# Altium PCB DRS4-PCB.PcbDoc (part 12 of 15)
Units mil, origin at the board's own origin, x right, y up, seen from the top; angles counter-clockwise.
Board outline 12350 x 7411.06 mil, 12 copper layers (Top Layer, Ground Layer 2, Signal Layer 3, Signal Layer 4, Ground Layer 5, Power Layer 6, Ground Layer 7, Ground Layer 8, Power Layer 9, Power Layer 10, Ground Layer 11, Bottom Layer), stack 61.6 mil thick; 1264 components, 1069 nets, 3958 pads, 2329 vias.
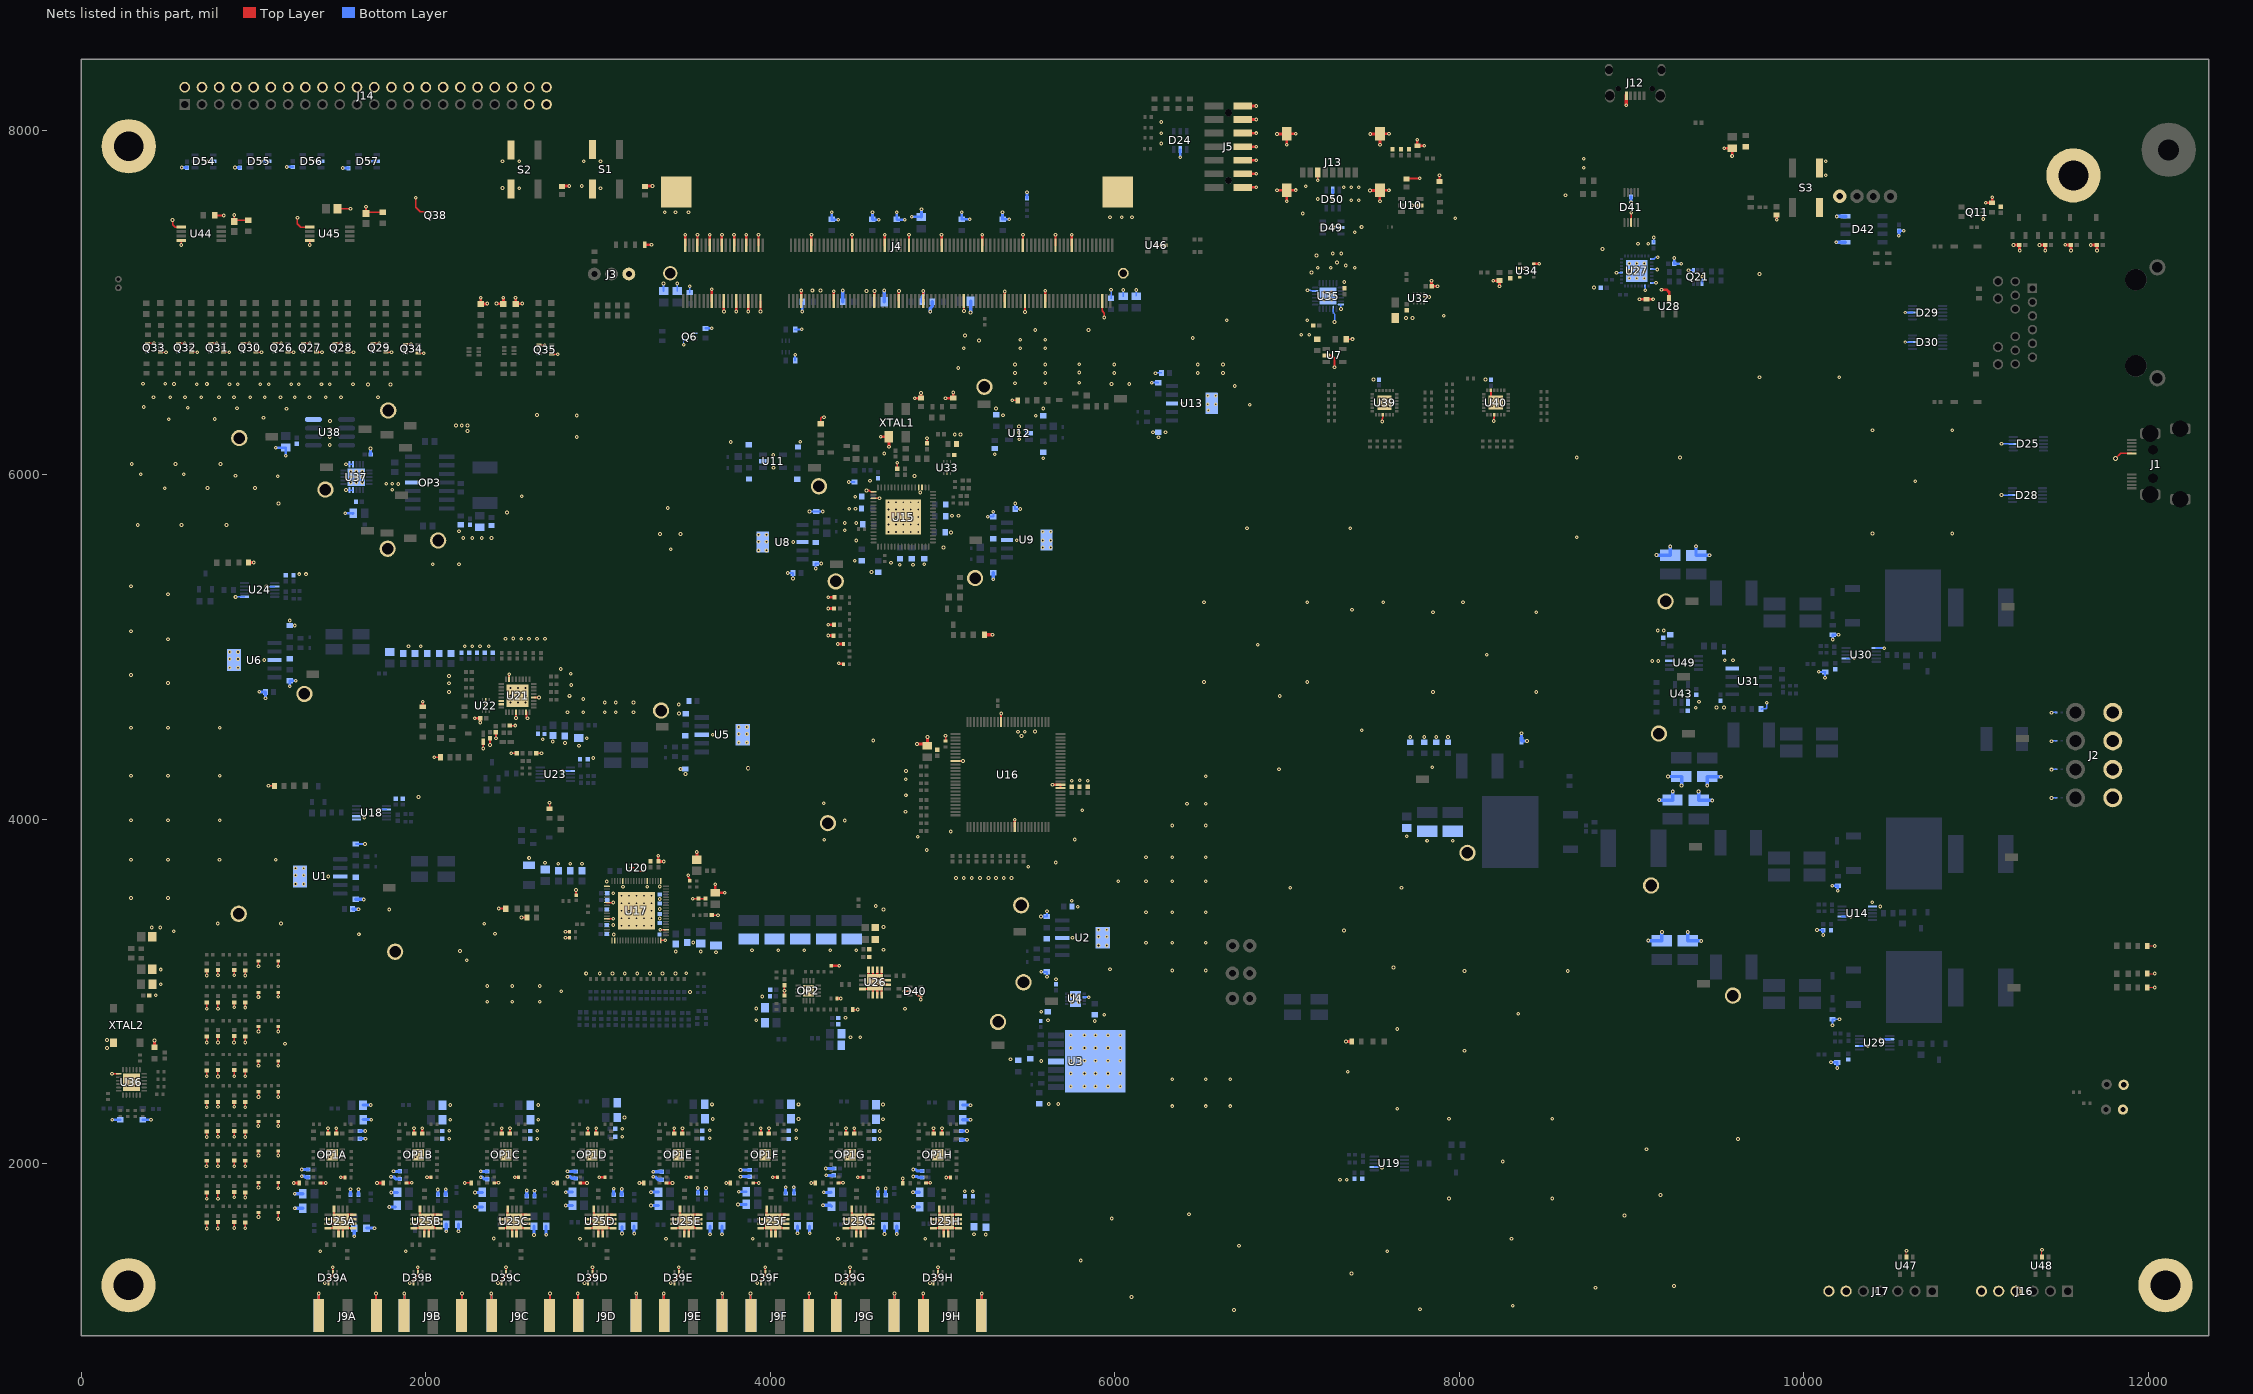
[diagram p22: the nets of this part, all layers, seen from the top]

## Via types
v1: diameter 21.65, hole 10, Top Layer to Bottom Layer, 2294 vias
v2: diameter 25, hole 15, Top Layer to Bottom Layer, 16 vias
v3: diameter 19, hole 8, Top Layer to Bottom Layer, 12 vias
v4: diameter 40, hole 28, Top Layer to Bottom Layer, 3 vias
v5: diameter 30, hole 20, Top Layer to Bottom Layer, 2 vias
v6: diameter 27.56, hole 10, Top Layer to Bottom Layer, 1 vias
v7: diameter 18, hole 10, Top Layer to Bottom Layer, 1 vias

## Nets (pads, with @x,y where several pads share a name; then routed paths per layer and width w, separated by ;. In a path a pad name is that pad's centre, name@x,y a point inside that pad or via, vN(x,y) a via of type N, cw(c..) or ccw(c..) an arc to the next point about the centre after c; other vN are vias at no path point) (continued)
TRB_GND: C1.2 C2.2 C3.2 C4.2 C5.2 C6.2 C7.1 C8.2 C9.1 C10.1 C11.1 C12.1 C13.2 C14.1 C15.1 C16.1 C17.1 C18.1 C19.1 C20.1 C21.1 C22.2 C23.1 C24.1 C25.1 C26.2 C27.1 C28.1 C29.1 C30.1 C31.1 C32.1 C33.1 C34.2 C35.1 C36.1 C37.2 C38.1 C39.2 C40.1 C41.1 C42.2 C43.1 C44.1 C45.1 C46.2 C47.1 C48.2 C49.1 C50.1 C51.1 C52.2 C53.2 C54.1 C56.1 C57.2 C59.1 C60.1 C61.2 C62.2 C63.2 C64.2 C65.2 C66.2 C67.1 C68.1 C69.1 C70.2 C71.1 C72.1 C73.1 C74.2 C75.2 C76.2 C77.2 C78.1 C79.1 C80.1 C81.2 C82.1 C83.1 C84.1 C85.1 C86.1 C91.1 C94.2 C95.2 C96.1 C97.1 C98.1 C99.1 C100.1 C101.1 C102.1 C103.1 C104.1 C105.1 C106.1 C107.1 C108.1 C109.1 C110.1 C111.1 C112.1 C113.1 C114.2 C115.1 C116.1 C117.1 C118.1 C120.2 C121.1 C122.1 C123.1 C124.1 C125.1 C127.2 C128.1 C129.1 C130.1 C131.1 C132.1 C133.1 C134.1 C135.1 C136.2 C137.2 C138.2 C139.1 C140.1 C141.1 C142.1 C143.1 C144.2 C145.2 C146.2 C147.2 C148.2 C149.2 C150.2 C151.1 C152.1 C153.1 C154.1 C155.1 C156.1 C157.2 C158.2 C159.2 C160.2 C163.2 C165.2 C166.2 C167.2 C168.2 C172.1 C173.1 C174.1 C175.1 C176.2 C177.2 C178.1 C179.2 C180.1 C181.1 C182.1 C183.1 C184.2 C185.2 C186.2 C187.2 C188.2 C189.2 C190.1 C191.1 C192A.1 C192B.1 C192C.1 C192D.1 C192E.1 C192F.1 C192G.1 C192H.1 C193A.2 C193B.2 C193C.2 C193D.2 C193E.2 C193F.2 C193G.2 C193H.2 C194A.1 C194B.1 C194C.1 C194D.1 C194E.1 C194F.1 C194G.1 C194H.1 C195A.2 C195B.2 C195C.2 C195D.2 C195E.2 C195F.2 C195G.2 C195H.2 C196A.2 C196B.2 C196C.2 C196D.2 C196E.2 C196F.2 C196G.2 C196H.2 C197A.2 C197B.2 C197C.2 C197D.2 C197E.2 C197F.2 C197G.2 C197H.2 C198A.2 C198B.2 C198C.2 C198D.2 C198E.2 C198F.2 C198G.2 C198H.2 C199A.2 C199B.2 C199C.2 C199D.2 C199E.2 C199F.2 C199G.2 C199H.2 C200A.1 C200B.1 C200C.1 C200D.1 C200E.1 C200F.1 C200G.1 C200H.1 C201A.1 C201B.1 C201C.1 C201D.1 C201E.1 C201F.1 C201G.1 C201H.1 C202A.2 C202B.2 C202C.2 C202D.2 C202E.2 C202F.2 C202G.2 C202H.2 C203A.1 C203B.1 C203C.1 C203D.1 C203E.1 C203F.1 C203G.1 C203H.1 C204A.1 C204B.1 C204C.1 C204D.1 C204E.1 C204F.1 C204G.1 C204H.1 C205A.2 C205B.2 C205C.2 C205D.2 C205E.2 C205F.2 C205G.2 C205H.2 C206A.1 C206B.1 C206C.1 C206D.1 C206E.1 C206F.1 C206G.1 C206H.1 C213.1 C214.2 C215.1 C216.2 C217.2 C218.2 C219.2 C220.2 C221.1 C222.1 C223.2 C224.1 C225.1 C226.2 C227.1 C234.1 C235.1 C236.1 C237.1 C238.1 C239.1 C240.1 C241.1 C242.2 C243.2 C244.1 C245.1 C246.1 C250.1 C251.2 C252.1 C253.2 C254.1 C255.1 C256.2 C257.2 C258.2 C259.2 C260.2 C261.1 C262.2 C264.1 C265.2 C266.1 C267.2 C268.1 C269.1 C270.1 C271.2 C272.2 C273.2 C274.2 C275.1 C276.2 C277.1 C278.1 C279.1 C280.1 C281.1 C282.1 C283.1 C284.1 C285.1 C286.1 C287.1 C288.1 C289.1 C290.1 C291.1 C292.1 C293.1 C294.1 C295.1 C296.1 C297.1 C298.1 C299.1 C300.1 C301.1 C302.1 C303.1 C304.1 C305.1 C306.1 C307.1 C308.1 C309.1 C310.1 C311.1 C312.1 C313.1 C314.1 C315.1 C316.1 C317.1 C318.1 C319.2 C321.2 C322.1 C323.2 C324.1 C325.1 C326.2 C327.2 C328.1 C329.1 C330.1 C333.1 C334.1 C338.1 C339.2 C341.2 C342.2 D1.2 D2.2 D3.2 D4.2 D19.2 D24.2 D25.8 D26.1 D27.1 D28.8 D29.8 D30.8 D39A.1 D39A.5 D39B.1 D39B.5 D39C.1 D39C.5 D39D.1 D39D.5 D39E.1 D39E.5 D39F.1 D39F.5 D39G.1 D39G.5 D39H.1 D39H.5 D40.1 D40.5 D41.8 D42.5 D42.8 D49.2 D50.2 D54.2 D55.2 D56.2 D57.2 D79.1 D80.1 D81.1 J1.6 J2.2 J2.4 J2.6 J2.8 J3.3 J4.2 J4.8 J4.14 J4.15 J4.20 J4.21 J4.26 J4.27 J4.32 J4.33 J4.38 J4.39 J4.47 J4.52 J4.63 J4.72 J4.83 J4.88 J4.95 J4.100 J4.107 J4.116 J4.127 J4.136 J4.147 J4.156 J4.157 J4.167 J4.172 J4.180 J4.195 J4.202 J4.203 J4.204 J4.205 J5.2 J5.4 J5.6 J5.8 J5.10 J5.12 J5.14 J9A.2 J9A.3 J9A.4 J9A.5 J9B.2 J9B.3 J9B.4 J9B.5 J9C.2 J9C.3 J9C.4 J9C.5 J9D.2 J9D.3 J9D.4 J9D.5 J9E.2 J9E.3 J9E.4 J9E.5 J9F.2 J9F.3 J9F.4 J9F.5 J9G.2 J9G.3 J9G.4 J9G.5 J9H.2 J9H.3 J9H.4 J9H.5 J11.2 J12.5 J13.6 J13.G1 J13.G2 J13.G3 J13.G4 J14.2 J14.4 J14.6 J14.8 J14.10 J14.12 J14.14 J14.16 J14.18 J14.20 J14.22 J14.24 J14.26 J14.28 J14.30 J14.32 J14.34 J14.36 J14.38 J14.40 J14.41 J14.42 J14.43 J14.44 J16.4 J16.5 J16.6 J17.6 J17.7 OP1A.17 OP1A.V OP1B.17 OP1B.V OP1C.17 OP1C.V OP1D.17 OP1D.V OP1E.17 OP1E.V OP1F.17 OP1F.V OP1G.17 OP1G.V OP1H.17 OP1H.V OP2.17 OP2.V OP3.11 pad.2@273.72,1294.72 pad.2@275.16,7906.65 pad.2@11564.4,7737.66 pad.2@12098.7,1294.72 Q6.1 Q6.4 Q11.4 Q21.1 Q21.4 Q26.1 Q26.4 Q27.1 Q27.4 Q28.1 Q28.4 Q29.1 Q29.4 Q30.1 Q30.4 Q31.1 Q31.4 Q32.1 Q32.4 Q33.1 Q33.4 Q34.1 Q34.4 Q35.1 Q35.4 Q38.1 R2.1 R4.1 R6.1 R11.1 R25.2 R26.2 R28.1 R35.1 R47.2 R65.1 R69.2 R97.2 R100.1 R101.1 R102.1 R108.1 R120.1 R123.2 R130.1 R147.1 R169.1 R170.1 R171A.2 R171B.2 R171C.2 R171D.2 R171E.2 R171F.2 R171G.2 R171H.2 R177A.1 R177B.1 R177C.1 R177D.1 R177E.1 R177F.1 R177G.1 R177H.1 R182.2 R188.1 R194.1 R195.1 R218.1 R219.1 R223.1 R263.1 R264.1 R265.1 R266.1 R269.1 R270.1 R271.1 R272.1 R275.1 R276.1 R277.1 R278.1 R281.1 R282.1 R283.1 R284.1 R286.1 R287.1 R292.2 S1.3 S1.4 S2.3 S2.4 S3.3 S3.4 TP3.1 TP6.1 TP9.1 TP11.1 TP13.1 TP15.1 TP17.1 TP19.1 TP21.1 TP24.1 TP26.1 TP28.1 TP32.1 TP34.1 TP37.1 TP38.1 TP39.1 TP74.1 TP75.1 TP83.1 TP84.1 TP85.1 TP86.1 TP87.1 U1.3 U1.6 U2.3 U2.6 U3.4 U3.8 U4.6 U4.9 U5.3 U5.6 U6.3 U6.6 U7.2 U8.3 U8.6 U9.3 U9.6 U10.2 U11.2 U12.2 U13.3 U13.6 U14.1 U14.7 U15.3 U15.4 U15.17 U15.19 U15.65 U16.15 U16.34 U16.65 U16.84 U16.85 U17.1 U17.2 U17.19 U17.22 U17.39 U17.44 U17.53 U17.58 U17.64 U17.70 U17.77 U18.1 U18.2 U18.7 U19.7 U20.2 U20.4 U21.4 U21.15 U21.22 U21.23 U21.28 U21.31 U21.33 U22.2 U23.7 U24.1 U24.7 U25A.4 U25A.6 U25A.7 U25A.8 U25A.10 U25A.11 U25A.13 U25A.14 U25A.15 U25A.16 U25A.17 U25B.4 U25B.6 U25B.7 U25B.8 U25B.10 U25B.11 U25B.13 U25B.14 U25B.15 U25B.16 U25B.17 U25C.4 U25C.6 U25C.7 U25C.8 U25C.10 U25C.11 U25C.13 U25C.14 U25C.15 U25C.16 U25C.17 U25D.4 U25D.6 U25D.7 U25D.8 U25D.10 U25D.11 U25D.13 U25D.14 U25D.15 U25D.16 U25D.17 U25E.4 U25E.6 U25E.7 U25E.8 U25E.10 U25E.11 U25E.13 U25E.14 U25E.15 U25E.16 U25E.17 U25F.4 U25F.6 U25F.7 U25F.8 U25F.10 U25F.11 U25F.13 U25F.14 U25F.15 U25F.16 U25F.17 U25G.4 U25G.6 U25G.7 U25G.8 U25G.10 U25G.11 U25G.13 U25G.14 U25G.15 U25G.16 U25G.17 U25H.4 U25H.6 U25H.7 U25H.8 U25H.10 U25H.11 U25H.13 U25H.14 U25H.15 U25H.16 U25H.17 U26.4 U26.6 U26.7 U26.8 U26.10 U26.11 U26.13 U26.14 U26.15 U26.16 U26.17 U27.4 U27.17 U27.20 U27.24 U27.26 U27.33 U28.3 U29.2 U29.7 U30.1 U30.7 U31.4 U32.3 U33.2 U34.1 U34.5 U34.7 U35.2 U35.11 U35.24 U35.25 U36.13 U36.25 U37.4 U37.5 U37.11 U37.12 U37.21 U38.4 U39.9 U39.25 U40.9 U40.23 U40.25 U43.1 U44.1 U44.4 U45.1 U45.4 U46.2 U47.2 U48.2 U49.7 XTAL1.4 XTAL2.2 | length 32735.6
  Top Layer w5: R218.1@11993.15,3023.31 v1(12036.45,3023.31) ; R35.1@11993.16,3103.69 v1(12036.45,3103.69) ; R219.1@11993.15,3264.41 v1(12036.45,3264.4)
  Top Layer w6.12: v1(6240.58,7330.79) 6241.52,7331.73 U46.2@6290.77,7331.73 ; U47.2@10595,1454.2 10595.5,1454.7 10595.5,1494.85 v1(10596,1495.35) ; U48.2@11382,1458.2 v1(11382,1500)
  Top Layer w7.87: Q33.4@384.61,6762.67 385.78,6763.85 v1(421.38,6763.85) ; Q33.1@459.41,6711.49 v1(491.69,6711.5) ; v1(529,7479) 529,7452 543.62,7437.38 U44.1@580.3,7437.4 ; Q32.4@564.86,6762.68 v1(600.47,6762.68) ; Q32.1@639.66,6711.5 v1(671.93,6711.5) ; Q31.4@751.02,6762.68 v1(786.64,6762.68) ; Q31.1@825.84,6711.5 v1(858.12,6711.5) ; Q30.1@1013.39,6711.5 v1(1045.66,6711.5) ; v1(1086.69,4193.7) 1090.54,4193.7 1091.23,4193 R100.1@1120.58,4193 ; Q26.4@1124.61,6762.68 v1(1160.22,6762.7) ; Q26.1@1199.43,6711.5 v1(1231.69,6711.5) ; v1(1254,7491) 1254,7457.36 1273.96,7437.4 U45.1@1325.88,7437.4 ; Q27.4@1290.16,6762.68 v1(1325.77,6762.7) ; Q27.1@1364.97,6711.5 v1(1397.24,6711.5) ; D39A.1@1434.06,1307.09 1434.06,1325.69 1459.65,1351.28 D39A.5@1459.65,1370.08 v1(1459.63,1399.21) ; Q28.4@1472.48,6762.68 v1(1508.1,6762.68) ; Q28.1@1547.3,6711.5 v1(1579.57,6711.48) ; Q29.4@1693.03,6762.68 v1(1728.63,6762.68) ; Q29.1@1767.84,6711.5 v1(1800.12,6711.5) ; Q34.4@1880.78,6756.46 v1(1913.06,6756.46) ; D39B.1@1927.87,1307.09 1927.87,1325.69 1953.46,1351.28 D39B.5@1953.46,1370.08 v1(1953.45,1399.21) ; Q34.1@1955.58,6705.28 v1(1987.86,6705.28) ; v1(2048.1,4359.64) 2085.06,4359.64 R170.1@2085.17,4359.52 ; v1(2225.91,1888.5) C206C.1@2262.8,1888.5 ; D39C.1@2439.84,1307.09 2439.84,1325.69 2465.43,1351.28 D39C.5@2465.43,1370.08 v1(2465.42,1399.21) ; U21.4@2627.22,4706.88 U21.4@2627.77,4706.34 ; Q35.4@2658.42,6750.73 v1(2690.7,6750.73) ; v1(2718.24,4096.28) 2718.24,4087.77 2718.44,4087.57 R130.1@2718.44,4060.01 ; Q35.1@2733.24,6699.55 v1(2765.52,6699.55) ; v1(2810.87,3312.09) R101.1@2834.41,3312.09 ; v1(2810.87,3345.94) R102.1@2833.86,3345.94 ; D39D.1@2941.95,1307.09 2941.95,1325.69 2967.54,1351.28 D39D.5@2967.54,1370.08 v1(2967.53,1399.21) ; U17.70@3050.28,3421.54 v1(3088.31,3421.54) ; U17.64@3050.28,3516.02 v1(3088.31,3516.02) ; U20.2@3190.11,3718.54 3210.01,3718.54 3210.44,3718.12 ; 3240.93,3699.1 3241.18,3698.86 U20.4@3259.01,3698.86 ; v1(3360.08,3358.54) U17.22@3394.77,3358.54 ; U17.19@3364.26,3296.54 v1(3389.07,3296.54) ; D39E.1@3442.68,1307.09 3442.68,1325.69 3468.27,1351.28 D39E.5@3468.27,1370.08 v1(3468.26,1399.21) ; v1(3523.68,3674.68) 3523.68,3662.1 3531.65,3654.12 R97.2@3531.65,3642.66 ; v1(3572.98,3809) v1@3573.83,3808.16 ; J4.15@3659.11,7007.79 3659.2,7007.69 J4.15@3659.19,7008.12 ; J4.21@3730.06,7007.79 J4.21@3730.05,7008.12 ; R171F.2@3900.48,1888.5 v1(3932.13,1888.5) ; D39F.1@3944.93,1307.09 3944.93,1325.69 3970.52,1351.28 v1(3970.51,1399.21) ; C226.2@4081.08,2981.96 C223.2@4081.08,3029.24 ; v1(4237.1,1888.43) 4241.21,1888.43 4241.28,1888.5 C206G.1@4261.73,1888.5 ; D26.1@4292.13,6295.23 4292.13,6327 4297.91,6332.79 v1(4310.73,6332.79) ; v1@4367.13,7066.13 v1@4367.81,7065.44 ; D39G.1@4437.05,1307.09 4437.05,1325.69 4462.64,1351.28 D39G.5@4462.64,1370.08 v1(4462.62,1399.21) ; C227.1@4476.73,2894.77 4476.85,2894.66 v1(4506.64,2894.66) ; v1@4604.01,7065.18 v1@4605.18,7066.35 ; v1(4736.02,6069.22) 4736.53,6068.71 C91.1@4736.53,6033.76 ; v1@4745.73,7065.18 v1@4746.9,7066.35 ; v1(4769.09,1913.98) 4769.25,1913.82 C206H.1@4769.25,1886.38 ; v1(4779.1,3001.81) D40.5@4809.84,3001.81 4830.77,3001.81 4856.36,2976.22 D40.1@4872.84,2976.22 4872.84,2960.57 v1@4874.96,2958.45 ; v1@4887.45,7065.18 v1@4888.62,7066.35 ; C102.1@4909.46,6181.31 4909.58,6181.43 v1(4909.58,6211.45) ; D39H.1@4948.03,1307.09 4948.03,1325.69 4973.62,1351.28 D39H.5@4973.62,1370.08 v1(4973.61,1399.21) ; R69.2@5016.61,4455.2 v1(5016.61,4485.2) ; v1@5122.49,6949.86 5123.65,6951.02 J4.127@5123.65,7008.1 ; v1(5404.58,6431.56) R223.1@5436.5,6431.56 ; v1(5418.58,3997.53) v1@5418.63,4004.05 ; J4.195@5926.72,7008.12 5926.73,6950.44 5938.62,6938.55 v1(5938.62,6912.93) ; v1@7177.56,7709.02 J13.6@7177.56,7753.74 ; U32.3@7795.32,7032.78 7823.67,7032.78 v1(7824.67,7031.79) ; U40.25@8182.09,6448.39 v1(8189.96,6440.51) U40.25@8211.61,6418.86 ; Q30.4@938.58,6762.68 v1(974.2,6762.7) Q30.4@938.58,6762.68
  Top Layer w8.72: v1(726.88,1985.71) 726.88,2015.93 C295.1@728.01,2017.06 ; v1(727.72,2507.01) 727.72,2540.9 C283.1@728.01,2541.2 ; v1(727.84,2898.94) 727.84,2934.72 C299.1@728.01,2934.9 ; v1@727.93,1630.59 C279.1@727.93,1659.29 ; C287.1@728.01,1832.53 728.19,1832.36 v1(728.19,1796.81) ; v1(728.01,2154.9) C303.1@728.01,2183.6 ; v1(728.01,2328.36) C311.1@728.01,2357.06 ; C291.1@728.01,2738.05 728.07,2737.99 v1(728.07,2703.5) ; v1(728.01,3092.38) C307.1@728.01,3121.08 ; v1@792.7,1983.4 v1(792.7,1985.71) 792.7,2019.07 C296.1@792.85,2019.23 ; v1@792.86,1632.75 C280.1@792.86,1661.46 ; v1@792.85,1806 C288.1@792.85,1834.7 ; v1(792.85,2157.06) C304.1@792.85,2185.76 ; v1(792.85,2330.53) C312.1@792.85,2359.23 ; v1(792.87,2506.41) C284.1@792.87,2543.35 ; v1@792.85,2711.51 C292.1@792.85,2740.21 ; v1@792.85,2908.36 C300.1@792.85,2937.06 ; v1(792.85,3094.54) C308.1@792.85,3123.24 ; v1(886.49,2703.9) 886.49,2739.44 C293.1@887.26,2740.21 ; v1@887.26,1632.75 C281.1@887.26,1661.46 ; v1(887.26,1806) C289.1@887.26,1834.7 ; v1@887.26,1990.53 C297.1@887.26,2019.23 ; v1(887.26,2157.06) C305.1@887.26,2185.76 ; v1(887.26,2330.53) C313.1@887.26,2359.23 ; C285.1@887.26,2543.36 887.61,2543.02 v1(887.61,2507.72) v1@887.61,2505.82 ; v1(887.26,2908.36) C301.1@887.26,2937.06 ; v1(887.26,3094.54) C309.1@887.26,3123.24 ; v1@951.75,1630.59 C282.1@951.75,1659.29 ; v1(951.75,1803.83) C290.1@951.75,1832.53 ; v1@951.75,1988.36 C298.1@951.75,2017.06 ; v1(951.75,2154.9) C306.1@951.75,2183.6 ; v1(951.75,2328.36) C314.1@951.75,2357.06 ; C286.1@951.75,2541.2 951.93,2541.02 v1(951.93,2507.72) ; v1@951.75,2709.35 C294.1@951.75,2738.05 ; v1(951.75,2906.2) C302.1@951.75,2934.9 ; v1(951.75,3092.38) C310.1@951.75,3121.08 ; v1(1027.52,2219.41) 1027.52,2244.76 R281.1@1027.97,2245.21 ; v1(1027.58,2967.19) 1027.58,2993.05 R278.1@1027.99,2993.44 ; v1(1027.73,1862.52) 1027.73,1891.03 R269.1@1027.97,1891.27 ; v1(1027.79,2568.11) 1027.79,2596.78 R265.1@1027.97,2596.97 ; v1(1027.88,2048.07) 1027.88,2074.41 R275.1@1027.97,2074.5 ; v1(1027.88,3146.06) 1027.88,3177.83 1028.05,3178.01 R283.1@1027.97,3178.09 ; R263.1@1027.97,1715.9 1028.53,1715.34 v1(1028.53,1690.27) ; R286.1@1027.97,2417.65 1028.72,2416.91 v1(1028.72,2387.8) ; R272.1@1027.97,2795.45 1028.55,2794.87 v1(1028.55,2767.48) ; R264.1@1142.58,1715.9 1142.75,1715.73 v1(1142.75,1679.02) ; R270.1@1142.58,1891.27 1143.34,1890.51 v1(1143.34,1857.29) ; v1@1142.58,2053.75 R276.1@1142.58,2074.5 ; v1@1142.58,2224.46 R282.1@1142.58,2245.21 ; v1@1142.58,2396.9 R287.1@1142.58,2417.65 ; R266.1@1142.58,2596.97 1142.71,2596.84 v1(1142.71,2568.11) v1@1142.71,2565.92 ; v1@1142.58,2774.7 R271.1@1142.58,2795.45 ; R277.1@1142.58,2993.44 1143.12,2992.9 v1(1143.12,2969.63) ; v1(1142.58,3146.06) R284.1@1142.58,3178.09
  Top Layer w9.84: v1(177.95,2521.54) U36.13@217.08,2521.54 ; v1(3549.78,3538.04) 3579.89,3538.04 3582.05,3540.21 3583.21,3539.06 C129.1@3622.8,3539.06 ; v1(4558.47,5908.68) 4574.22,5908.68 4581.04,5901.86 U15.17@4599.71,5901.86 ; U15.19@4599.71,5862.49 v1(4633.49,5862.48) ; C333.1@7344,6787.12 v1(7379.53,6787.12) ; v1@7554.44,6313.98 7556.55,6311.87 7553.46,6308.78 v1(7551.33,6308.78) 7551.33,6325.82 7555.31,6329.8 U39.9@7555.31,6346.93 ; v1(8198.77,6311.9) 8198.77,6327.5 8201.77,6330.49 U40.9@8201.77,6347.99 ; D41.8@8997.43,7463.84 8997.76,7464.17 8997.76,7520.51 v1(8998.09,7520.84)
  Top Layer w10: v1(580.32,7332.85) U44.4@580.32,7360.63 ; C338.1@773.67,7505.22 v1@825.83,7505.22 ; v1(887.17,7508.01) C339.2@887.17,7470.85 893.8,7477.48 C267.2@968.99,7477.48 ; v1(1325.88,7332.87) U45.4@1325.88,7360.63 ; C342.2@1486.18,7544.69 v1(1561.96,7544.69) ; v1(1652.74,7555.82) C341.2@1652.74,7516.42 1659.81,7523.48 C319.2@1748.28,7523.48 ; v1(1940.43,7608) 1940.43,7553.53 1967.98,7525.98 Q38.1@2025,7526 ; v1(2333,4410) C167.2@2333,4450.36 ; v1(2372,4431) 2372,4467.26 C168.2@2375.42,4470.68 ; C166.2@2406,4505.68 2407.5,4504.18 v1(2407.5,4469.68) ; v1(2422.82,3481.25) C124.1@2464.45,3481.25 ; C165.2@2486.32,4543.32 v1(2519,4543.32) ; v1(2494.87,4382.6) C160.2@2526.29,4382.6 ; v1(2522.87,4587.46) U21.28@2522.87,4622.23 ; v1(2555.55,3428.97) C125.1@2586.51,3428.97 ; C159.2@2641.15,4382.6 v1(2671.71,4382.6) ; v1(2738.98,1888.5) C206D.1@2762.95,1888.5 ; v1(2871.06,3588.89) 2871.67,3588.89 C120.2@2871.67,3559.76 ; v1(3239.45,1888.5) C206E.1@3263.43,1888.5 ; C130.1@3659.32,3443 3659.52,3442.8 3695.8,3442.8 v1(3696,3442.6) ; v1(3742.95,1888.5) C206F.1@3766.93,1888.5 ; C39.2@7693,7717.62 7694.69,7719.31 7767.31,7719.31 v1(7769,7721) ; v1(7725,7563) U10.2@7771.47,7563 ; R120.1@7884.8,7702.56 v1(7884.8,7739) ; v5(11809,6094) 11839,6124 J1.6@11903.7,6124.01
  Top Layer w11: v1(11040.63,7484.32) Q11.4@11040.63,7500.4
  Top Layer w11.81: U25A.8@1432.27,1627.09 1466.81,1627.09 U25A.17@1492.4,1652.68 ; U25A.7@1432.27,1652.68 U25A.17@1492.4,1652.68 ; U25A.6@1432.27,1678.27 U25A.17@1492.4,1678.27 ; C202A.2@1432.28,2175.47 v1(1432.28,2205.74) ; U25A.4@1466.81,1738.4 1466.81,1703.86 U25A.17@1492.4,1678.27 ; C205A.2@1479.8,2175.47 v1(1479.8,2205.74) ; U25A.10@1492.4,1592.54 U25A.17@1492.4,1652.68 ; U25A.11@1517.99,1592.54 1517.99,1652.68 U25A.17@1505.2,1665.47 ; U25A.13@1578.13,1627.09 1551.14,1627.09 1525.55,1652.68 U25A.17@1534.44,1652.68 ; U25A.14@1578.13,1652.68 U25A.17@1534.44,1652.68 ; U25A.15@1578.13,1678.27 U25A.17@1517.99,1678.27 ; U25A.16@1578.13,1703.86 1543.58,1703.86 U25A.17@1517.99,1678.27 ; C202B.2@1930.63,2175.47 v1(1930.63,2205.74) ; U25B.8@1931.01,1627.09 1965.55,1627.09 U25B.17@1991.14,1652.68 ; U25B.7@1931.01,1652.68 U25B.17@1991.14,1652.68 ; U25B.6@1931.01,1678.27 U25B.17@1991.14,1678.27 ; U25B.4@1965.55,1738.4 U25B.4@1965.55,1737.61 1965.55,1703.86 U25B.17@1991.14,1678.27 ; C205B.2@1978.82,2175.47 v1(1978.82,2205.74) ; U25B.10@1991.14,1592.54 U25B.17@1991.14,1652.68 ; U25B.11@2016.73,1592.54 2016.73,1652.68 U25B.17@2003.94,1665.47 ; U25B.13@2076.87,1627.09 2049.88,1627.09 2024.29,1652.68 U25B.17@2033.18,1652.68 ; U25B.14@2076.87,1652.68 U25B.17@2033.18,1652.68 ; U25B.15@2076.87,1678.27 U25B.17@2016.73,1678.27 ; U25B.16@2076.87,1703.86 2042.32,1703.86 U25B.17@2016.73,1678.27 ; C202C.2@2440.08,2175.47 v1(2440.08,2205.74) ; U25C.8@2440.46,1627.09 2475,1627.09 U25C.17@2500.59,1652.68 ; U25C.7@2440.46,1652.68 U25C.17@2500.59,1652.68 ; U25C.6@2440.46,1678.27 U25C.17@2500.59,1678.27 ; U25C.4@2475,1738.4 2475,1703.86 U25C.17@2500.59,1678.27 ; U21.15@2483.5,4811.23 v1@2483.5,4839.36 ; C205C.2@2488.27,2175.47 v1(2488.27,2205.74) ; U25C.10@2500.59,1592.54 U25C.17@2500.59,1652.68 ; U25C.11@2526.18,1592.54 2526.18,1652.68 U25C.17@2513.39,1665.47 ; U21.31@2581.93,4622.23 2583.02,4621.14 2583.02,4592.49 v1(2590,4585.51) ; U25C.13@2586.32,1627.09 2559.33,1627.09 2533.73,1652.68 U25C.17@2542.63,1652.68 ; U25C.14@2586.32,1652.68 U25C.17@2542.63,1652.68 ; U25C.15@2586.32,1678.27 U25C.17@2526.18,1678.27 ; U25C.16@2586.32,1703.86 2551.77,1703.86 U25C.17@2526.18,1678.27 ; U21.4@2627.77,4706.34 v1(2656.69,4706.34) ; C205D.2@2940.24,2175.47 v1(2940.24,2205.74) ; U25D.8@2940.61,1627.09 2975.16,1627.09 U25D.17@3000.75,1652.68 ; U25D.7@2940.61,1652.68 U25D.17@3000.75,1652.68 ; U25D.6@2940.61,1678.27 U25D.17@3000.75,1678.27 ; U25D.4@2975.16,1738.4 U25D.4@2975.16,1737.61 2975.16,1703.86 U25D.17@3000.75,1678.27 ; C202D.2@2988.43,2175.47 v1(2988.43,2205.74) ; U25D.10@3000.75,1592.54 U25D.17@3000.75,1652.68 ; U25D.11@3026.34,1592.54 3026.34,1652.68 U25D.17@3013.54,1665.47 ; U25D.13@3086.47,1627.09 3059.48,1627.09 3033.89,1652.68 U25D.17@3042.79,1652.68 ; U25D.14@3086.47,1652.68 U25D.17@3042.79,1652.68 ; U25D.15@3086.47,1678.27 U25D.17@3026.34,1678.27 ; U25D.16@3086.47,1703.86 3051.93,1703.86 U25D.17@3026.34,1678.27 ; U25E.8@3440.46,1627.09 3475,1627.09 U25E.17@3500.59,1652.68 ; U25E.7@3440.46,1652.68 U25E.17@3500.59,1652.68 ; U25E.6@3440.46,1678.27 U25E.17@3500.59,1678.27 ; C202E.2@3441.14,2175.47 v1(3441.14,2205.74) ; U25E.4@3475,1738.4 3475,1703.86 U25E.17@3500.59,1678.27 ; C205E.2@3489.34,2175.47 v1(3489.34,2205.74) ; U25E.10@3500.59,1592.54 U25E.17@3500.59,1652.68 ; U25E.11@3526.18,1592.54 3526.18,1652.68 U25E.17@3513.39,1665.47 ; U25E.13@3586.31,1627.09 3559.33,1627.09 3533.73,1652.68 U25E.17@3542.63,1652.68 ; U25E.14@3586.31,1652.68 U25E.17@3542.63,1652.68 ; U25E.15@3586.31,1678.27 U25E.17@3526.18,1678.27 ; U25E.16@3586.31,1703.86 3551.77,1703.86 U25E.17@3526.18,1678.27 ; U25F.8@3944.16,1627.09 3978.7,1627.09 U25F.17@4004.29,1652.68 ; U25F.7@3944.16,1652.68 U25F.17@4004.29,1652.68 ; U25F.6@3944.16,1678.27 U25F.17@4004.29,1678.27 ; C205F.2@3944.21,2175.47 v1(3944.21,2205.74) ; U25F.4@3978.7,1738.4 3978.7,1703.86 U25F.17@4004.29,1678.27 ; C202F.2@3992.41,2175.47 v1(3992.41,2205.74) ; U25F.10@4004.29,1592.54 U25F.17@4004.29,1652.68 ; U25F.11@4029.88,1592.54 4029.88,1652.68 U25F.17@4017.09,1665.47 ; U25F.13@4090.02,1627.09 4063.03,1627.09 4037.44,1652.68 U25F.17@4046.33,1652.68 ; U25F.14@4090.02,1652.68 U25F.17@4046.33,1652.68 ; U25F.15@4090.02,1678.27 U25F.17@4029.88,1678.27 ; U25F.16@4090.02,1703.86 4055.47,1703.86 U25F.17@4029.88,1678.27 ; U25G.8@4438.68,1627.09 4473.23,1627.09 U25G.17@4498.82,1652.68 ; U25G.7@4438.68,1652.68 U25G.17@4498.82,1652.68 ; U25G.6@4438.68,1678.27 U25G.17@4498.82,1678.27 ; C205G.2@4439.02,2175.47 v1(4439.02,2205.74) ; U25G.4@4473.23,1738.4 U25G.4@4473.23,1737.61 4473.23,1703.86 U25G.17@4498.82,1678.27 ; C202G.2@4487.21,2175.47 v1(4487.21,2205.74) ; U25G.10@4498.82,1592.54 U25G.17@4498.82,1652.68 ; U25G.11@4524.41,1592.54 4524.41,1652.68 U25G.17@4511.61,1665.47 ; U26.4@4534.65,3014.36 4569.19,3014.36 U26.17@4594.78,3039.95 ; U26.16@4569.19,3125.67 4569.19,3091.13 U26.17@4594.78,3065.54 ; U25G.13@4584.54,1627.09 4557.55,1627.09 4531.96,1652.68 U25G.17@4540.86,1652.68 ; U25G.14@4584.54,1652.68 U25G.17@4540.86,1652.68 ; U25G.15@4584.54,1678.27 U25G.17@4524.41,1678.27 ; U25G.16@4584.54,1703.86 4550,1703.86 U25G.17@4524.41,1678.27 ; U26.6@4594.78,2979.82 U26.17@4594.78,3039.95 ; U26.15@4594.78,3125.67 U26.17@4594.78,3065.54 ; U26.7@4620.37,2979.82 U26.17@4620.37,3039.95 ; U26.14@4620.37,3125.67 U26.17@4620.37,3081.99 ; U26.8@4645.96,2979.82 4645.96,3014.36 U26.17@4620.37,3039.95 ; U26.13@4645.96,3125.67 4645.96,3098.69 4620.37,3073.09 U26.17@4620.37,3081.99 ; U26.10@4680.5,3039.95 U26.17@4620.37,3039.95 ; U26.11@4680.5,3065.54 4620.37,3065.54 U26.17@4607.57,3052.75 ; U25H.8@4946.2,1627.09 4980.75,1627.09 U25H.17@5006.34,1652.68 ; U25H.7@4946.2,1652.68 U25H.17@5006.34,1652.68 ; U25H.6@4946.2,1678.27 U25H.17@5006.34,1678.27 ; C205H.2@4947.4,2175.47 v1(4947.4,2205.74) ; U25H.4@4980.75,1738.4 4980.75,1703.86 U25H.17@5006.34,1678.27 ; C202H.2@4996.47,2175.47 v1(4996.47,2205.74) ; U25H.10@5006.34,1592.54 U25H.17@5006.34,1652.68 ; U25H.11@5031.93,1592.54 5031.93,1652.68 U25H.17@5019.13,1665.47 ; U16.34@5074.09,4337.87 v1(5118.72,4337.87) ; U25H.13@5092.06,1627.09 5065.07,1627.09 5039.48,1652.68 U25H.17@5048.38,1652.68 ; U25H.14@5092.06,1652.68 U25H.17@5048.38,1652.68 ; U25H.15@5092.06,1678.27 U25H.17@5031.93,1678.27 ; U25H.16@5092.06,1703.86 5057.52,1703.86 U25H.17@5031.93,1678.27 ; U16.15@5339.84,4564.25 v1(5339.84,4613.81) ; J4.147@5359.59,7008.37 J4.147@5359.84,7008.12 ; U16.65@5418.58,3954.01 v1(5418.58,3997.53) v1(5418.58,3997.53) ; v1@5477.95,6945.01 J4.157@5477.95,7008.1 ; v1(5637.6,4200.08) U16.85@5684.33,4200.08 U16.84@5684.33,4180.39 ; U40.25@8182.09,6448.39 U40.23@8182.09,6489.72 ; U25A.17@1492.4,1652.68 U25A.17@1505.2,1665.47 ; U25A.17@1492.4,1678.27 U25A.17@1505.2,1665.47 ; U25A.17@1517.99,1678.27 1513.42,1673.7 U25A.17@1534.44,1652.68 ; U25B.17@1991.14,1652.68 U25B.17@2003.94,1665.47 ; U25B.17@1991.14,1678.27 U25B.17@2003.94,1665.47 ; U25B.17@2016.73,1678.27 2012.16,1673.7 U25B.17@2033.18,1652.68 ; U25C.17@2500.59,1652.68 U25C.17@2513.39,1665.47 ; U25C.17@2500.59,1678.27 U25C.17@2513.39,1665.47 ; U25C.17@2526.18,1678.27 2521.61,1673.7 U25C.17@2542.63,1652.68 ; U25D.17@3000.75,1652.68 U25D.17@3013.54,1665.47 ; U25D.17@3000.75,1678.27 U25D.17@3013.54,1665.47 ; U25D.17@3026.34,1678.27 3021.77,1673.7 U25D.17@3042.79,1652.68 ; U25E.17@3500.59,1652.68 U25E.17@3513.39,1665.47 ; U25E.17@3500.59,1678.27 U25E.17@3513.39,1665.47 ; U25E.17@3526.18,1678.27 3521.61,1673.7 U25E.17@3542.63,1652.68 ; U25F.17@4004.29,1652.68 U25F.17@4017.09,1665.47 ; U25F.17@4004.29,1678.27 U25F.17@4017.09,1665.47 ; U25F.17@4029.88,1678.27 4025.31,1673.7 U25F.17@4046.33,1652.68 ; U25G.17@4498.82,1652.68 U25G.17@4511.61,1665.47 ; U25G.17@4498.82,1678.27 U25G.17@4511.61,1665.47 ; U25G.17@4524.41,1678.27 4519.84,1673.7 U25G.17@4540.86,1652.68 ; U26.17@4594.78,3039.95 U26.17@4607.57,3052.75 ; U26.17@4594.78,3065.54 4599.35,3060.97 U26.17@4620.37,3081.99 ; U26.17@4607.57,3052.75 U26.17@4620.37,3039.95 ; U25H.17@5006.34,1652.68 U25H.17@5019.13,1665.47 ; U25H.17@5006.34,1678.27 U25H.17@5019.13,1665.47 ; U25H.17@5031.93,1678.27 5027.36,1673.7 U25H.17@5048.38,1652.68